# Altium PCB core.PcbDoc
Units mil, origin at the board's own origin, x right, y up, seen from the top; angles counter-clockwise.
Board outline 3775.2 x 3550 mil, 2 copper layers (Top Layer, Bottom Layer), stack 60.4 mil thick; 115 components, 142 nets, 599 pads, 0 vias.
Unrouted connection lines stored in the file: 347.
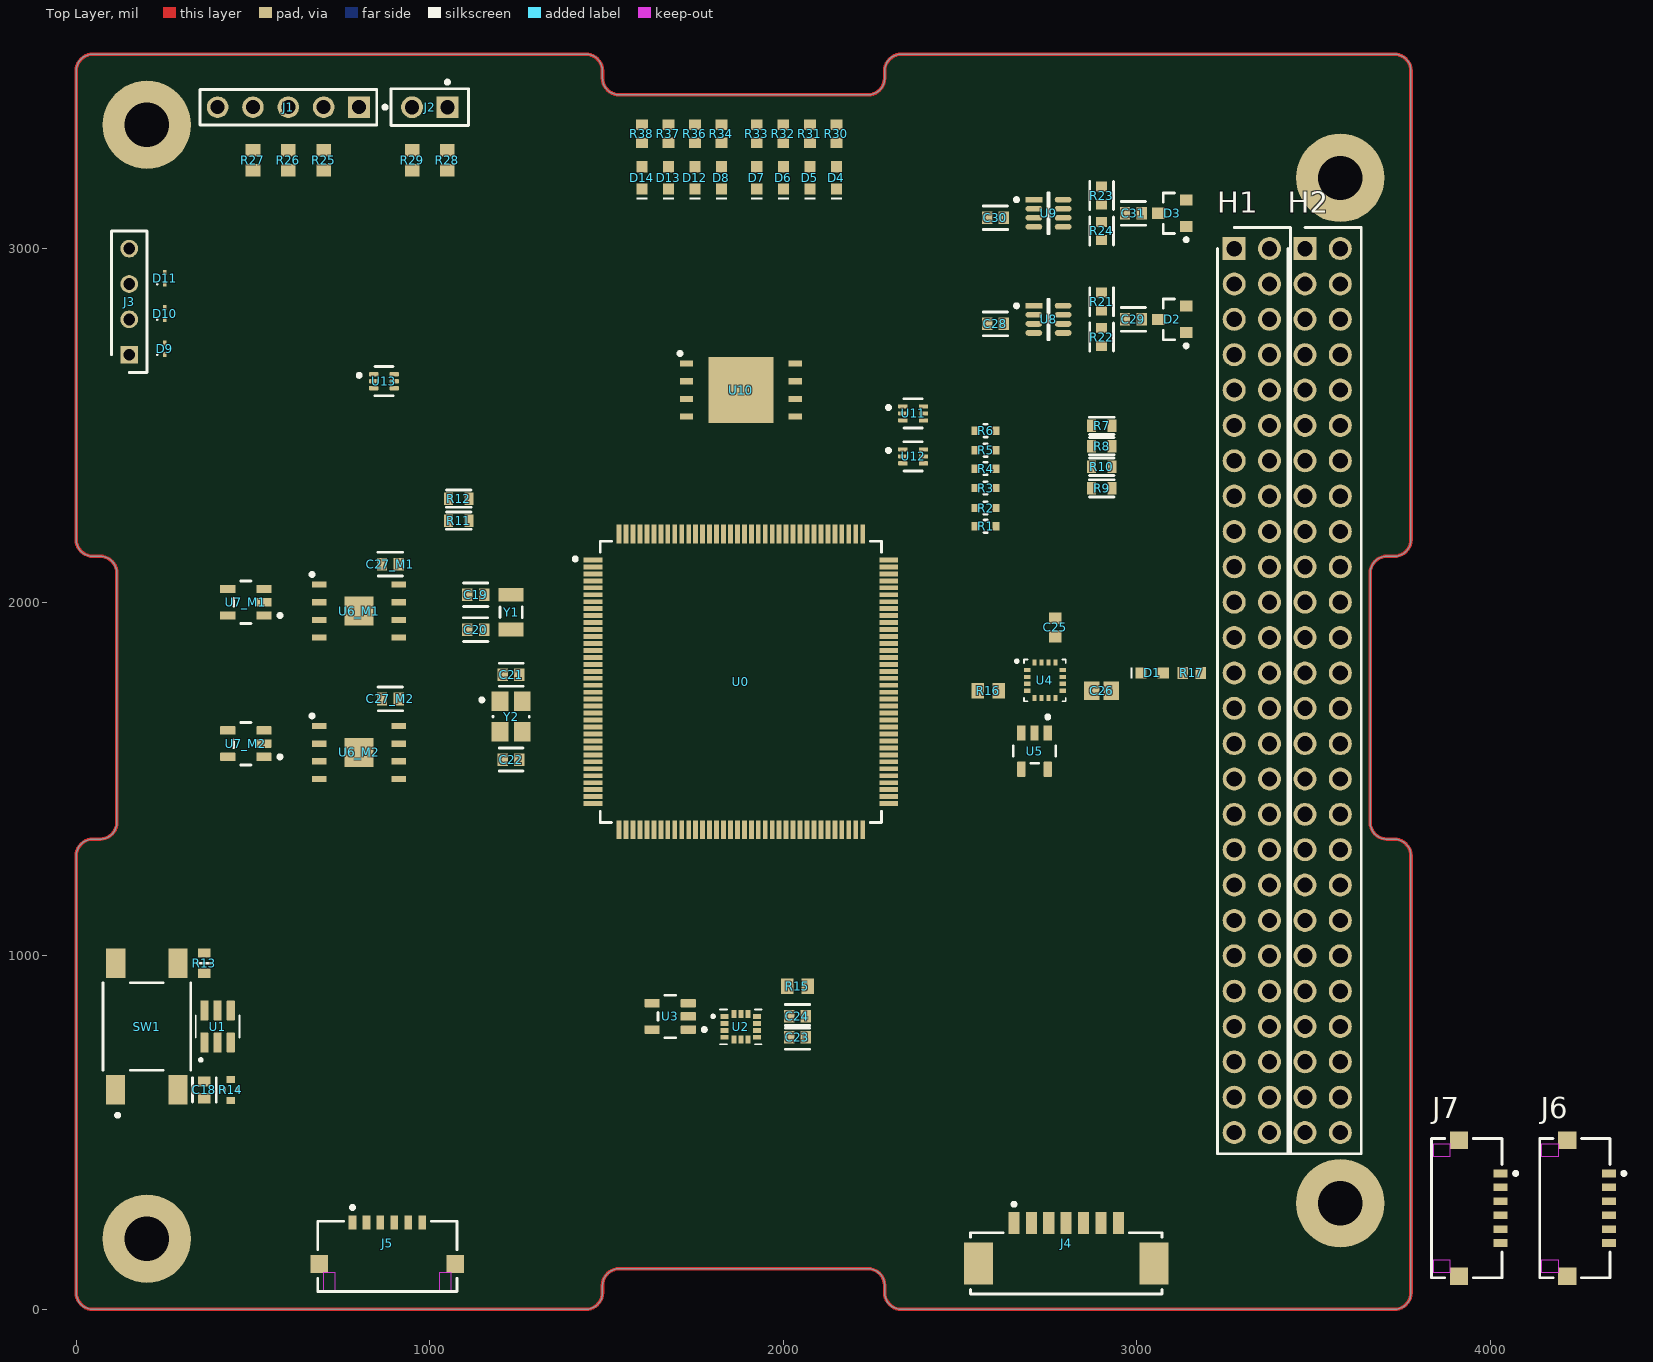
[diagram p0: Top Layer view]
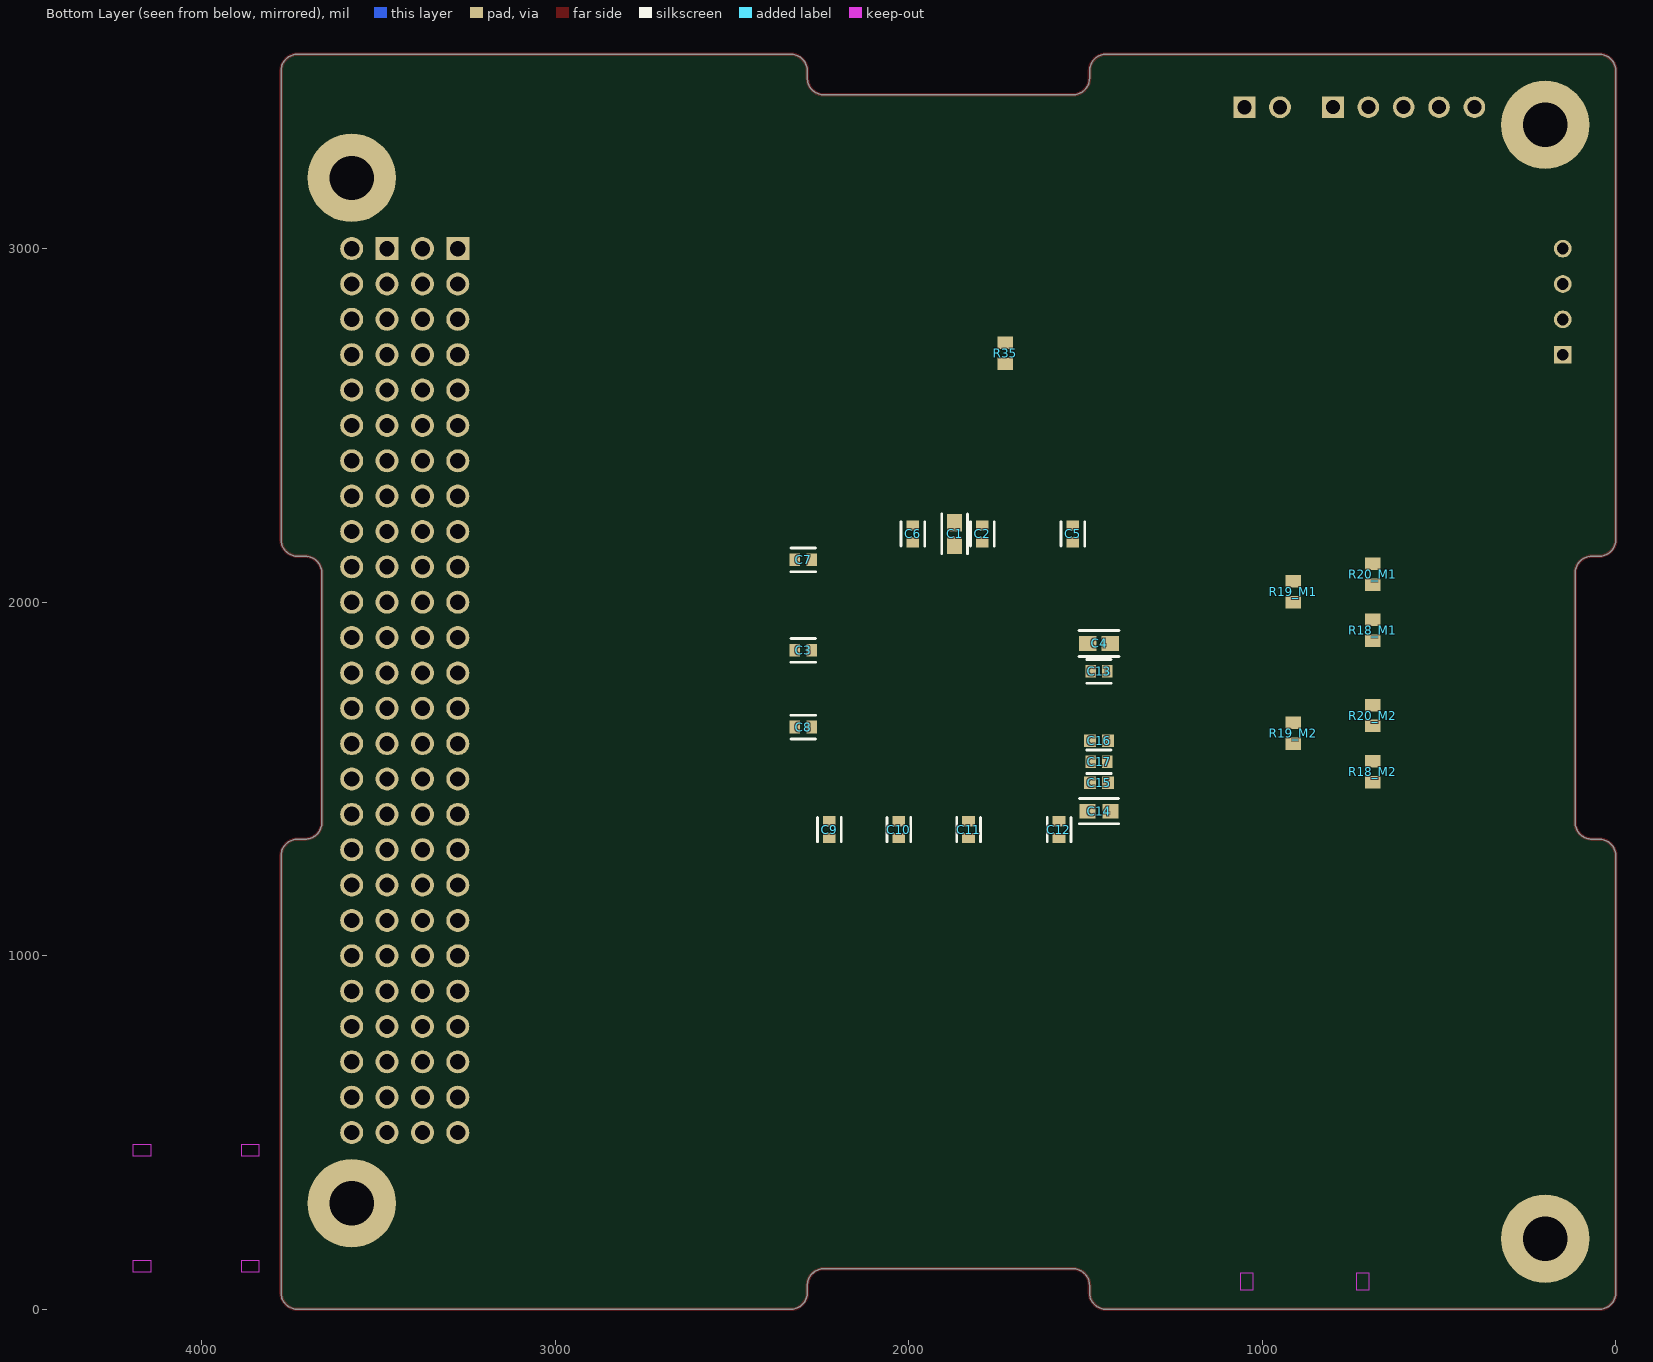
[diagram p1: Bottom Layer view, seen from below]

## Layer stack, top to bottom
Top Solder: solder mask 0.5, Solder Resist, Dk 3.3
Top Layer: signal copper 0.7
Dielectric1: core 59, FR-4, Dk 4.3
Bottom Layer: signal copper 0.7
Bottom Solder: solder mask 0.5, Solder Resist, Dk 3.3

## Board outline
0,47.24 0,1282.68 cw(c47.24,1282.68) 47.24,1329.92 67.72,1329.92 ccw(c67.72,1377.17) 114.96,1377.17 114.96,2082.68 ccw(c67.72,2082.68) 67.72,2129.92 47.24,2129.92 cw(c47.24,2177.17) 0,2177.17 0,3502.76 cw(c47.24,3502.76) 47.24,3550 1441.34,3550 cw(c1441.34,3502.76) 1488.58,3502.76 1488.58,3482.28 ccw(c1535.83,3482.28) 1535.83,3435.04 2239.37,3435.04 ccw(c2239.37,3482.28) 2286.61,3482.28 2286.61,3502.76 cw(c2333.86,3502.76) 2333.86,3550 3727.95,3550 cw(c3727.95,3502.76) 3775.2,3502.76 3775.2,2177.17 cw(c3727.95,2177.17) 3727.95,2129.92 3707.09,2129.92 ccw(c3707.09,2082.68) 3659.84,2082.68 3659.84,1377.17 ccw(c3707.09,1377.17) 3707.09,1329.92 3727.95,1329.92 cw(c3727.95,1282.68) 3775.2,1282.68 3775.2,47.24 cw(c3727.95,47.24) 3727.95,0 2333.86,0 cw(c2333.86,47.24) 2286.61,47.24 2286.61,67.72 ccw(c2239.37,67.72) 2239.37,114.96 1535.83,114.96 ccw(c1535.83,67.72) 1488.58,67.72 1488.58,47.24 cw(c1441.34,47.24) 1441.34,0 47.24,0 cw(c47.24,47.24)

## Design rules (kind name [scope] priority, off if disabled: settings)
Clearance [All] p1: gap=10 ignorepadtopadclearanceinfootprint=FALSE
DiffPairsRouting [All] p1: maxlimit=10 minlimit=10 mostfreqgap=10 toplayer_minwidth=10 toplayer_maxwidth=10 toplayer_prefwidth=10 bottomlayer_minwidth=10 bottomlayer_maxwidth=10 bottomlayer_prefwidth=10 maxuncoupledlength=500
HoleSize [All] p1: absolutevalues=TRUE maxlimit=300 minlimit=10 maxpercent=80.000 minpercent=20.000
MinimumAnnularRing [All] p1: minimumring=10
PasteMaskExpansion [All] p1: expansion=10
PlaneClearance [All] p1: clearance=15
PlaneConnect [All] p1: pad.planeconnectstyle=Relief pad.reliefexpansion=20 pad.reliefentries=4 pad.reliefconductorwidth=10 pad.reliefairgap=10 via.planeconnectstyle=Direct via.reliefexpansion=20 via.reliefentries=4 via.reliefconductorwidth=10 via.reliefairgap=10
PolygonConnect [All] p1: thpad.connectstyle=Relief thpad.reliefconductorwidth=10 thpad.reliefentries=4 thpad.polygonreliefangle="90 Angle" thpad.airgapwidth=10 smdpad.connectstyle=Relief smdpad.reliefconductorwidth=10 smdpad.reliefentries=4 smdpad.polygonreliefangle="90 Angle" smdpad.airgapwidth=10 via.connectstyle=Direct via.reliefconductorwidth=10 via.reliefentries=4 via.polygonreliefangle="90 Angle" via.airgapwidth=10
RoomDefinition U_MCU [InComponentClass('U_MCU')] p1: confinementstyle=ConfineIn formatcopy=TRUE lockcomponents=FALSE outline -7638,-4595 -5638,-4595 -5638,-3595 -7638,-3595
RoutingVias [All] p1: holewidth=10 width=20 viastyle="Through Hole" minholewidth=10 minwidth=20 maxholewidth=10 maxwidth=20
SMDNeckDown [All] p1: percent=100.000
SilkToSolderMaskClearance SilkscreenOverComponentPads [IsPad] p1: minsilkscreentomaskgap=10 clearancetoexposedcopper=TRUE
SolderMaskExpansion [All] p1: expansion=10 istentingtop=FALSE
SupplyNets "Schematic Supply Nets_5" [InNet('3V3_A')] p1: voltage=0.000
SupplyNets "Schematic Supply Nets_1" [InNet('VBAT')] p2: voltage=0.000
SupplyNets "Schematic Supply Nets" [InNet('VDD_MCU')] p3: voltage=0.000
SupplyNets "Schematic Supply Nets_3" [InNet('GND')] p4: voltage=0.000
Width [All] p1: maxlimit=10 minlimit=10 preferedwidth=10
24 further rules are at their usual default settings.

## Classes and differential pairs
channel class MRAM_MR25H40: M1 M2
component class Watchdog: C18 R13 R14 SW1 U1
component class U_NorFlash: R35 U10
component class U_MCU: R7 R8 R9 R10 R11 R12 U11 U12 U13
component class U_CAN2: C30 C31 D3 R23 R24 U9
component class U_CAN1: C28 C29 D2 R21 R22 U8
component class PC104_52-52: D1 H1 H2 R3 R4 R5 R6 R17
component class MMC5983MA: C25 C26 R16 U4 U5
component class MCU_Power: C1 C2 C3 C4 C5 C6 C7 C8 C9 C10 C11 C12 C13 C14 C15 C16 C17 U0
component class M2: C27_M2 R18_M2 R19_M2 R20_M2 U6_M2 U7_M2
component class M1: C27_M1 R18_M1 R19_M1 R20_M1 U6_M1 U7_M1
component class ISM330ISN: C23 C24 R15 U2 U3
component class Crystals: C19 C20 C21 C22 Y1 Y2
component class U_Ports: D4 D5 D6 D7 D8 D9 D10 D11 D12 D13 D14 J1 J2 J3 J4 J5 J6 J7 R1 R2 R25 R26 R27 R28 R29 R30 R31 R32 R33 R34 R36 R37 R38

## Components (designator, comment, footprint, x,y, rotation, side; value= is the part's Value field where it differs from the comment)
C1 "4.7uF" FP-GRM188-0_15-IPC_A 1870.16,2193.31 r270 bottom locked
C2 "0.1uF" FP-C0603C-CF-MFG 1791.42,2193.31 r270 bottom locked value="0.10 μF"
C3 "0.1uF" FP-C0603C-CF-MFG 2298.31,1863.58 r180 bottom locked value="0.10 μF"
C4 "4.7uF" FP-GRM188-0_15-IPC_A 1461.69,1883.27 r0 bottom locked
C5 "0.1uF" FP-C0603C-CF-MFG 1535.51,2193.31 r270 bottom locked value="0.10 μF"
C6 "0.1uF" FP-C0603C-CF-MFG 1988.27,2193.31 r270 bottom locked value="0.10 μF"
C7 "0.1uF" FP-C0603C-CF-MFG 2298.31,2119.49 r180 bottom locked value="0.10 μF"
C8 "0.1uF" FP-C0603C-CF-MFG 2298.31,1647.05 r180 bottom locked value="0.10 μF"
C9 "0.1uF" FP-C0603C-CF-MFG 2224.49,1356.69 r90 bottom locked value="0.10 μF"
C10 "0.1uF" FP-C0603C-CF-MFG 2027.76,1356.69 r90 bottom locked value="0.10 μF"
C11 "0.1uF" FP-C0603C-CF-MFG 1830.79,1356.69 r90 bottom locked value="0.10 μF"
C12 "0.1uF" FP-C0603C-CF-MFG 1574.88,1356.69 r90 bottom locked value="0.10 μF"
C13 "0.1uF" FP-C0603C-CF-MFG 1461.69,1804.53 r0 bottom locked value="0.10 μF"
C14 "10nF" FP-GRM188-0_1-e0_2_0_5-IPC_A 1461.69,1408.86 r0 bottom locked
C15 "1uF" CAPC1608X90X35LL15T15 1461.69,1489.57 r180 bottom locked
C16 "1uF" CAPC1608X90X35LL15T15 1461.69,1607.68 r180 bottom locked
C17 "0.1uF" FP-C0603C-CF-MFG 1461.69,1548.62 r0 bottom locked value="0.10 μF"
C18 "0.1uF" FP-C0603C-CF-MFG 362.6,620.87 r270 top locked value="0.10 μF"
C19 "1.5pF" FP-C0603C-CF-MFG 1130,2021.06 r180 top locked value="1.5 pF"
C20 "1.5pF" FP-C0603C-CF-MFG 1130,1922.64 r180 top locked value="1.5 pF"
C21 "3.9pF" FP-CBR06C-MFG 1230,1795 r0 top locked value="3.9 pF"
C22 "3.9pF" FP-CBR06C-MFG 1230,1555 r180 top locked value="3.9 pF"
C23 "0.1uF" FP-C0603C-CF-MFG 2040,769.47 r0 top locked value="0.10 μF"
C24 "0.1uF" FP-C0603C-CF-MFG 2040,828.53 r0 top locked value="0.10 μF"
C25 "1uF" CAPC1608X90X35LL15T15 2769.58,1929 r90 top locked
C26 "10uF" CAPC2013X145X50LL20T25 2900.05,1749.47 r0 top locked
C27_M1 "0.1uF" FP-C0603C-CF-MFG 888.58,2107.55 r180 top locked value="0.10 μF" (schematic designator C27)
C27_M2 "0.1uF" FP-C0603C-CF-MFG 888.58,1726.26 r180 top locked value="0.10 μF" (schematic designator C27)
C28 "0.1uF" FP-C0603C-CF-MFG 2600,2787.2 r180 top locked value="0.10 μF"
C29 "C0603C472K2RACTU" FP-C0603C-CF-MFG 2990,2800 r0 top locked value="4,700 pF"
C30 "0.1uF" FP-C0603C-CF-MFG 2600,3087.2 r180 top locked value="0.10 μF"
C31 "C0603C472K2RACTU" FP-C0603C-CF-MFG 2990,3100 r0 top locked value="4,700 pF"
D1 "150060RS75000" WL-SMCW_0603_150060xx75000 3042.91,1800 r0 top
D2 "NUP2105LT1G" ONSC-SOT-23-3-318-08_V 3100,2800 r180 top locked
D3 "NUP2105LT1G" ONSC-SOT-23-3-318-08_V 3100,3100 r180 top locked
D4 "150060RS75000" WL-SMCW_0603_150060xx75000 2150,3200 r90 top locked
D5 "150060RS75000" WL-SMCW_0603_150060xx75000 2075,3200 r90 top locked
D6 "150060RS75000" WL-SMCW_0603_150060xx75000 2000,3200 r90 top locked
D7 "150060RS75000" WL-SMCW_0603_150060xx75000 1925,3200 r90 top locked
D8 "150060RS75000" WL-SMCW_0603_150060xx75000 1825,3200 r90 top locked
D9 "ESD9B5.0ST5G" ONSC-SOD-923-2-514AB-01_V 250,2716.54 r90 top locked
D10 "ESD9B5.0ST5G" ONSC-SOD-923-2-514AB-01_V 250,2816.54 r90 top locked
D11 "ESD9B5.0ST5G" ONSC-SOD-923-2-514AB-01_V 250,2916.54 r90 top locked
D12 "150060RS75000" WL-SMCW_0603_150060xx75000 1750,3200 r90 top locked
D13 "150060RS75000" WL-SMCW_0603_150060xx75000 1675,3200 r90 top locked
D14 "150060RS75000" WL-SMCW_0603_150060xx75000 1600,3200 r90 top locked
H1 "ESQ-126-39-G-D-001" RHDR52W64P254_2X26_6654X495X1135P 3275.2,3000 r270 top locked
H2 "ESQ-126-39-G-D-001" RHDR52W64P254_2X26_6654X495X1135P 3475.2,3000 r270 top locked
J1 "90120-0125" FP-90120-0125-MFG 600,3400 r180 top locked
J2 "M20-9990245" FP-M20-9990245-MFG 1000,3400 r180 top locked
J3 "90120-0124" HDRV4W65P0X254_1X4_1016X254X945P 150,2700 r90 top locked
J4 "53261-0771" FP-53261-0771-MFG 2800,130 r0 top locked
J5 "503763-0691" FP-503763-0691-MFG 880,150 r180 top locked
J6 "503763-0691" FP-503763-0691-MFG 4239,286 r90 top
J7 "503763-0691" FP-503763-0691-MFG 3933,286 r90 top
R1 "10K" FP-RK73B1J-MFG 2572.11,2214.64 r0 top
R2 "10K" FP-RK73B1J-MFG 2572.1,2266.27 r0 top
R3 "10K" FP-RK73B1J-MFG 2572.1,2323 r0 top
R4 "10K" FP-RK73B1J-MFG 2572.11,2377.91 r0 top
R5 "10K" FP-RK73B1J-MFG 2572.1,2430.19 r0 top
R6 "10K" FP-RK73B1J-MFG 2572.11,2485.31 r0 top
R7 "100 ohm" FP-ERJP03-MFG 2900.44,2498.43 r0 top
R8 "100 ohm" FP-ERJP03-MFG 2900.44,2441.23 r0 top
R9 "100 ohm" FP-ERJP03-MFG 2900.44,2322.02 r180 top
R10 "100 ohm" FP-ERJP03-MFG 2900.44,2383.28 r180 top
R11 "100 ohm" FP-ERJP03-MFG 1082,2230.82 r0 top
R12 "100 ohm" FP-ERJP03-MFG 1082,2293 r180 top
R13 "100K" FP-ERA3A-MFG 362.6,979.13 r270 top locked
R14 "10K" FP-RK73B1J-MFG 437.4,620.87 r90 top locked
R15 "100K" RESC1608X55X30ML20T10 2040,914 r0 top locked
R16 "100K" RESC1608X55X30ML20T10 2580.05,1749.47 r180 top locked
R17 "ERJ-3EKF3300V" RESC1608X55X30LL15T15 3155.41,1800 r180 top
R18_M1 "100K" RESC1608X55X30ML20T10 687.8,1920.47 r90 bottom locked (schematic designator R18)
R18_M2 "100K" RESC1608X55X30ML20T10 687.8,1520.47 r90 bottom locked (schematic designator R18)
R19_M1 "100K" RESC1608X55X30ML20T10 912.21,2029.53 r270 bottom locked (schematic designator R19)
R19_M2 "100K" RESC1608X55X30ML20T10 912.2,1629.53 r270 bottom locked (schematic designator R19)
R20_M1 "100K" RESC1608X55X30ML20T10 687.8,2079.53 r90 bottom locked (schematic designator R20)
R20_M2 "100K" RESC1608X55X30ML20T10 687.8,1679.53 r90 bottom locked (schematic designator R20)
R21 "RC1608F60R4CS" FP-RC1608-IPC_C 2900,2850 r270 top locked
R22 "RC1608F60R4CS" FP-RC1608-IPC_C 2900,2750 r270 top locked
R23 "RC1608F60R4CS" FP-RC1608-IPC_C 2900,3150 r270 top locked
R24 "RC1608F60R4CS" FP-RC1608-IPC_C 2900,3050 r270 top locked
R25 "ERJ-3EKF49R9V" RESC1608X55X30ML15T15 700,3250 r90 top locked
R26 "ERJ-3EKF49R9V" RESC1608X55X30ML15T15 600,3250 r90 top locked
R27 "ERJ-3EKF49R9V" RESC1608X55X30ML15T15 500,3250 r90 top locked
R28 "ERJ-3EKF49R9V" RESC1608X55X30ML15T15 1050,3250 r90 top locked
R29 "ERJ-3EKF49R9V" RESC1608X55X30ML15T15 950,3250 r90 top locked
R30 "ERJ-3EKF3300V" RESC1608X55X30LL15T15 2150,3325 r270 top locked
R31 "ERJ-3EKF3300V" RESC1608X55X30LL15T15 2075,3325 r270 top locked
R32 "ERJ-3EKF3300V" RESC1608X55X30LL15T15 2000,3325 r270 top locked
R33 "ERJ-3EKF3300V" RESC1608X55X30LL15T15 1925,3325 r270 top locked
R34 "ERJ-3EKF3300V" RESC1608X55X30LL15T15 1825,3325 r270 top locked
R35 "100K" RESC1608X55X30ML20T10 1726.46,2704.53 r90 bottom locked
R36 "ERJ-3EKF3300V" RESC1608X55X30LL15T15 1750,3325 r270 top locked
R37 "ERJ-3EKF3300V" RESC1608X55X30LL15T15 1675,3325 r270 top locked
R38 "ERJ-3EKF3300V" RESC1608X55X30LL15T15 1600,3325 r270 top locked
SW1 "FSM2JSMAA" FP-FSM2JSMAA-MFG 200,800 r180 top locked
U0 "STM32L496ZGT6" FP-LQFP144-1A-MFG 1880,1775 r0 top locked
U1 "TPL5010QDDCTQ1" SOT95P280X110-6N 400,800 r90 top locked
U2 "ISM330ISN" XDCR_ISM330ISNTR 1880,799 r0 top locked
U3 "SN74LVC1G125DBVT" FP-DBV0005A-MFG 1680,828.53 r180 top locked
U4 "MMC5983MA" PQFN50P300X300X100-16N 2740.05,1779 r0 top locked
U5 "SN74LVC1G125DBVT" FP-DBV0005A-MFG 2710.52,1579 r270 top locked
U6_M1 "MR25H40MDF" SON127P600X500X90-9N-D 800,1975 r0 top locked (schematic designator U6)
U6_M2 "MR25H40MDF" SON127P600X500X90-9N-D 800,1575 r0 top locked (schematic designator U6)
U7_M1 "SN74LVC1G125DBVT" FP-DBV0005A-MFG 480,2000 r180 top locked (schematic designator U7)
U7_M2 "SN74LVC1G125DBVT" FP-DBV0005A-MFG 480,1600 r180 top locked (schematic designator U7)
U8 "TCAN332GDCNT" FP-DCN0008A-IPC_C 2750,2800 r0 top locked
U9 "TCAN332GDCNT" FP-DCN0008A-IPC_C 2750,3100 r0 top locked
U10 "S25HL512TFANHI010" SON127P800X600X80-9N-D 1880,2600 r0 top locked
U11 "SN74LVC2G34DRLR" FP-DRL0006A-MFG 2367.13,2534 r0 top
U12 "SN74LVC2G34DRLR" FP-DRL0006A-MFG 2367.13,2412.47 r0 top
U13 "SN74LVC2G34DRLR" FP-DRL0006A-MFG 870.47,2625 r0 top
Y1 "NX3215SA-32.768KHZ-EXS00A-MU00525" FP-NX3215SA-MFG 1230,1971.85 r270 top locked
Y2 "NX3225GA-16.000M-STD-CRG-2" FP-NX3225GA-MFG 1230,1676.57 r270 top locked

## Footprints (in the part's own frame and the unit in brackets; to place one, negate y for a bottom-side part, rotate by r counter-clockwise, add the part's x,y. Pads: shape width x height; smd on the part's side, far side on the other; paste and mask are expansions set on the pad)
CAPC1608X90X35LL15T15 [mm] "Chip Capacitor, 2-Leads, Body 1.60x0.81mm, IPC High Density"
  rect 0.85x0.9 smd: 1(-0.65,0) 2(0.65,0)
  body extent -0.88,-0.48 0.87,0.48, height 0.9
CAPC2013X145X50LL20T25 [mm] "Chip Capacitor, 2-Leads, Body 2.00x1.25mm, IPC High Density"
  rect 1.1x1.35 smd: 1(-0.7,0) 2(0.7,0)
  body extent -1.1,-0.72 1.1,0.72, height 1.45
FP-53261-0771-MFG [mm]
  rect 0.8x1.6 smd paste+0 mask+0: 1(-3.75,2.9) 2(-2.5,2.9) 3(-1.25,2.9) 4(0,2.9) 5(1.25,2.9) 6(2.5,2.9) 7(3.75,2.9)
  rect 2.1x3 smd paste+0 mask+0: 8(-6.3,0) 9(6.3,0)
  silkscreen extent -6.88,-2.2 6.88,4.37, body extent -7.45,-2.3 7.45,3.8, height 0.25
FP-90120-0125-MFG [mm]
  rect 1.55x1.55 hole 1 paste-2539.97 mask+0: 1(-5.08,0)
  round 1.55 hole 1 paste-2539.97 mask+0: 2(-2.54,0) 3(0,0) 4(2.54,0) 5(5.08,0)
  silkscreen extent -7.07,-1.27 6.35,1.27, body extent -6.45,-1.37 6.45,1.37, height 0.25
FP-503763-0691-MFG [mm]
  rect 0.55x1 smd paste+0 mask+0: 1(2.5,-2.435) 2(1.5,-2.435) 3(0.5,-2.435) 4(-0.5,-2.435) 5(-1.5,-2.435) 6(-2.5,-2.435)
  rect 1.26x1.3 smd paste+0 mask+0: 7(-4.875,0.555) 8(4.875,0.555)
  Keep-Out Layer region: 3.735,1.175 4.605,1.175 4.605,2.425 3.735,2.425
  Keep-Out Layer region: -4.605,1.175 -3.735,1.175 -3.735,2.425 -4.605,2.425
  silkscreen extent -5,-3.63 5,2.52, body extent -5.61,-3.04 5.61,2.63, height 0.25
FP-C0603C-CF-MFG [mm]
  rect 0.75x0.9 smd paste+0 mask+0: 1(-0.6,0) 2(0.6,0)
  silkscreen extent -0.87,-0.85 0.88,0.85, body extent -0.8,-0.4 0.8,0.4, height 0.87
FP-CBR06C-MFG [mm]
  rect 0.75x0.9 smd paste+0 mask+0: 1(-0.6,0) 2(0.6,0)
  silkscreen extent -0.85,-0.82 0.85,0.82, body extent -1.2,-0.6 1.2,0.6, height 0.25
FP-DBV0005A-MFG [mm]
  rrect17% 1.1x0.6 smd paste+0 mask+0: 1(-1.3,0.95) 2(-1.3,0) 3(-1.3,-0.95) 4(1.3,-0.95) 5(1.3,0.95)
  silkscreen extent -2.58,-1.53 0.87,1.53, body extent -1.95,-1.78 1.95,1.78, height 0.25
FP-DCN0008A-IPC_C [mm]
  rect 1.205x0.415 smd paste+0 mask+0: 1(-1.05,0.975)
  rrect100% 1.205x0.415 smd paste+0 mask+0: 2(-1.05,0.325) 3(-1.05,-0.325) 4(-1.05,-0.975) 5(1.05,-0.975) 6(1.05,-0.325) 7(1.05,0.325) 8(1.05,0.975)
  silkscreen extent -2.42,-1.45 0.05,1.45, body extent -1.75,-1.55 1.75,1.55, height 0.25
FP-DRL0006A-MFG [mm]
  rrect33% 0.67x0.3 smd paste+0 mask+0: 1(-0.74,0.5) 2(-0.74,0) 3(-0.74,-0.5) 4(0.74,-0.5) 5(0.74,0) 6(0.74,0.5)
  silkscreen extent -1.9,-1.05 0.65,1.05, body extent -1.17,-1.1 1.17,1.1, height 0.25
FP-ERA3A-MFG [mm]
  rect 0.65x0.9 smd paste+0 mask+0: 1(-0.725,0) 2(0.725,0)
  silkscreen extent 0,-0.5 0,0.5, body extent -1.15,-0.6 1.15,0.6, height 0.25
FP-ERJP03-MFG [mm]
  rect 0.65x0.9 smd paste+0 mask+0: 1(-0.725,0) 2(0.725,0)
  silkscreen extent -0.87,-0.62 0.87,0.63, body extent -1.15,-0.58 1.15,0.58, height 0.25
FP-FSM2JSMAA-MFG [mm]
  rect 1.38x2.1 smd paste+0 mask+0: 1(2.25,4.55) 2(2.24,-4.55) 3(-2.24,4.55) 4(-2.24,-4.55)
  silkscreen extent -3.15,-3.15 3.15,6.5, body extent -3.25,-5.7 3.25,5.7, height 0.25
FP-GRM188-0_1-e0_2_0_5-IPC_A [mil]
  rect 45.62x39.85 smd paste+0 mask+0: 1(-32.55,0) 2(32.55,0)
  silkscreen extent -55,-36 55,36, body extent -31,-16 31,16, height 35
FP-GRM188-0_15-IPC_A [mil]
  rect 49.46x41.66 smd paste+0 mask+0: 1(-31.53,0) 2(31.53,0)
  silkscreen extent -56,-37 56,37
FP-LQFP144-1A-MFG [mm]
  rect 1.35x0.35 smd paste+0 mask+0: 1(-10.625,8.75) 2(-10.625,8.25) 3(-10.625,7.75) 4(-10.625,7.25) 5(-10.625,6.75) 6(-10.625,6.25) 7(-10.625,5.75) 8(-10.625,5.25) 9(-10.625,4.75) 10(-10.625,4.25) 11(-10.625,3.75) 12(-10.625,3.25) 13(-10.625,2.75) 14(-10.625,2.25) 15(-10.625,1.75) 16(-10.625,1.25) 17(-10.625,0.75) 18(-10.625,0.25) 19(-10.625,-0.25) 20(-10.625,-0.75) 21(-10.625,-1.25) 22(-10.625,-1.75) 23(-10.625,-2.25) 24(-10.625,-2.75) 25(-10.625,-3.25) 26(-10.625,-3.75) 27(-10.625,-4.25) 28(-10.625,-4.75) 29(-10.625,-5.25) 30(-10.625,-5.75) 31(-10.625,-6.25) 32(-10.625,-6.75) 33(-10.625,-7.25) 34(-10.625,-7.75) 35(-10.625,-8.25) 36(-10.625,-8.75) 73(10.625,-8.75) 74(10.625,-8.25) 75(10.625,-7.75) 76(10.625,-7.25) 77(10.625,-6.75) 78(10.625,-6.25) 79(10.625,-5.75) 80(10.625,-5.25) 81(10.625,-4.75) 82(10.625,-4.25) 83(10.625,-3.75) 84(10.625,-3.25) 85(10.625,-2.75) 86(10.625,-2.25) 87(10.625,-1.75) 88(10.625,-1.25) 89(10.625,-0.75) 90(10.625,-0.25) 91(10.625,0.25) 92(10.625,0.75) 93(10.625,1.25) 94(10.625,1.75) 95(10.625,2.25) 96(10.625,2.75) 97(10.625,3.25) 98(10.625,3.75) 99(10.625,4.25) 100(10.625,4.75) 101(10.625,5.25) 102(10.625,5.75) 103(10.625,6.25) 104(10.625,6.75) 105(10.625,7.25) 106(10.625,7.75) 107(10.625,8.25) 108(10.625,8.75)
  rect 0.35x1.35 smd paste+0 mask+0: 37(-8.75,-10.625) 38(-8.25,-10.625) 39(-7.75,-10.625) 40(-7.25,-10.625) 41(-6.75,-10.625) 42(-6.25,-10.625) 43(-5.75,-10.625) 44(-5.25,-10.625) 45(-4.75,-10.625) 46(-4.25,-10.625) 47(-3.75,-10.625) 48(-3.25,-10.625) 49(-2.75,-10.625) 50(-2.25,-10.625) 51(-1.75,-10.625) 52(-1.25,-10.625) 53(-0.75,-10.625) 54(-0.25,-10.625) 55(0.25,-10.625) 56(0.75,-10.625) 57(1.25,-10.625) 58(1.75,-10.625) 59(2.25,-10.625) 60(2.75,-10.625) 61(3.25,-10.625) 62(3.75,-10.625) 63(4.25,-10.625) 64(4.75,-10.625) 65(5.25,-10.625) 66(5.75,-10.625) 67(6.25,-10.625) 68(6.75,-10.625) 69(7.25,-10.625) 70(7.75,-10.625) 71(8.25,-10.625) 72(8.75,-10.625) 109(8.75,10.625) 110(8.25,10.625) 111(7.75,10.625) 112(7.25,10.625) 113(6.75,10.625) 114(6.25,10.625) 115(5.75,10.625) 116(5.25,10.625) 117(4.75,10.625) 118(4.25,10.625) 119(3.75,10.625) 120(3.25,10.625) 121(2.75,10.625) 122(2.25,10.625) 123(1.75,10.625) 124(1.25,10.625) 125(0.75,10.625) 126(0.25,10.625) 127(-0.25,10.625) 128(-0.75,10.625) 129(-1.25,10.625) 130(-1.75,10.625) 131(-2.25,10.625) 132(-2.75,10.625) 133(-3.25,10.625) 134(-3.75,10.625) 135(-4.25,10.625) 136(-4.75,10.625) 137(-5.25,10.625) 138(-5.75,10.625) 139(-6.25,10.625) 140(-6.75,10.625) 141(-7.25,10.625) 142(-7.75,10.625) 143(-8.25,10.625) 144(-8.75,10.625)
  silkscreen extent -12.02,-10.1 10.1,10.1, body extent -11.4,-11.4 11.4,11.4, height 0.25
FP-M20-9990245-MFG [mm]
  rect 1.57x1.57 hole 1.02 paste-2539.97 mask+0: 1(-1.27,0)
  round 1.57 hole 1.02 paste-2539.97 mask+0: 2(1.27,0)
  silkscreen extent -2.79,-1.92 2.79,1.32, body extent -2.89,-1.42 2.89,1.42, height 0.25
FP-NX3215SA-MFG [mm]
  rect 1x1.8 smd paste+0 mask+0: 1(-1.25,0) 2(1.25,0)
  silkscreen extent -0.38,-0.8 0.38,0.8, body extent -1.85,-1 1.85,1, height 0.25
FP-NX3225GA-MFG [mm]
  rect 1.4x1.2 smd paste+0 mask+0: 1(-1.1,-0.8) 2(1.1,-0.8) 3(1.1,0.8) 4(-1.1,0.8)
  silkscreen extent -1.32,-2.22 0.03,1.3, body extent -1.9,-1.5 1.9,1.5, height 0.25
FP-RC1608-IPC_C [mil]
  rect 27.94x31.97 smd paste+0 mask+0: 1(-25.64,0) 2(25.64,0)
  silkscreen extent -40,-33 40,33, body extent -44,-22 44,22, height 10
FP-RK73B1J-MFG [mm]
  rect 0.5x0.6 smd paste+0 mask+0: 1(-0.75,0) 2(0.75,0)
  silkscreen extent -0.13,-0.45 0.13,0.45, body extent -1.1,-0.55 1.1,0.55, height 0.25
HDRV4W65P0X254_1X4_1016X254X945P [mm]
  rect 1.275x1.275 hole 0.85: 1(0,0)
  round 1.275 hole 0.85: 2(2.54,0) 3(5.08,0) 4(7.62,0)
  silkscreen extent -1.27,-1.27 8.89,1.27, body extent -1.27,-1.25 8.89,1.25, height 9.02
ONSC-SOD-923-2-514AB-01_V [mm] "SOD, 2-Leads, Body 0.8x0.6mm"
  rect 0.36x0.25 smd: 1(-0.42,0) 2(0.42,0)
  silkscreen extent -0.47,0.48 -0.37,0.57, body extent -0.4,-0.3 0.4,0.3, height 0.4
ONSC-SOT-23-3-318-08_V [mm] "SOT23, 3-Leads, Body 2.92x1.3mm, Pitch 0.95mm"
  rect 0.9x0.8 smd: 1(-1,0.95) 2(-1,-0.95) 3(1,0)
  silkscreen extent -1.13,-1.46 0.65,2.02, body extent -0.65,-1.46 0.65,1.46, height 1.11
PQFN50P300X300X100-16N [mm]
  rect 0.45x0.3 smd: 1(-1.275,0.75) 2(-1.275,0.25) 3(-1.275,-0.25) 4(-1.275,-0.75) 9(1.275,-0.75) 10(1.275,-0.25) 11(1.275,0.25) 12(1.275,0.75)
  rect 0.3x0.45 smd: 5(-0.75,-1.275) 6(-0.25,-1.275) 7(0.25,-1.275) 8(0.75,-1.275) 13(0.75,1.275) 14(0.25,1.275) 15(-0.25,1.275) 16(-0.75,1.275)
  silkscreen extent -2.13,-1.5 1.5,1.5, body extent -1.5,-1.5 1.5,1.5, height 1
RESC1608X55X30LL15T15 [mm] "Chip Resistor, 2-Leads, Body 1.75x0.95mm, IPC High Density"
  rect 0.75x0.85 smd: 1(-0.65,0) 2(0.65,0)
  body extent -0.87,-0.48 0.87,0.48, height 0.55
RESC1608X55X30ML15T15 [mm] "Chip Resistor, 2-Leads, Body 1.60x0.80mm, IPC Low Density"
  rect 0.9x1.05 smd: 1(-0.725,0) 2(0.725,0)
  body extent -0.87,-0.48 0.87,0.48, height 0.55
RESC1608X55X30ML20T10 [mm] "Chip Resistor, 2-Leads, Body 1.60x0.80mm, IPC Low Density"
  rect 0.9x1.1 smd: 1(-0.75,0) 2(0.75,0)
  body extent -0.9,-0.5 0.9,0.5, height 0.55
RHDR52W64P254_2X26_6654X495X1135P [mm]
  rect 1.65x1.65 hole 1.1: 1(0,0)
  round 1.65 hole 1.1: 2(0,2.54) 3(2.54,0) 4(2.54,2.54) 5(5.08,0) 6(5.08,2.54) 7(7.62,0) 8(7.62,2.54) 9(10.16,0) 10(10.16,2.54) 11(12.7,0) 12(12.7,2.54) 13(15.24,0) 14(15.24,2.54) 15(17.78,0) 16(17.78,2.54) 17(20.32,0) 18(20.32,2.54) 19(22.86,0) 20(22.86,2.54) 21(25.4,0) 22(25.4,2.54) 23(27.94,0) 24(27.94,2.54) 25(30.48,0) 26(30.48,2.54) 27(33.02,0) 28(33.02,2.54) 29(35.56,0) 30(35.56,2.54) 31(38.1,0) 32(38.1,2.54) 33(40.64,0) 34(40.64,2.54) 35(43.18,0) 36(43.18,2.54) 37(45.72,0) 38(45.72,2.54) 39(48.26,0) 40(48.26,2.54) 41(50.8,0) 42(50.8,2.54) 43(53.34,0) 44(53.34,2.54) 45(55.88,0) 46(55.88,2.54) 47(58.42,0) 48(58.42,2.54) 49(60.96,0) 50(60.96,2.54) 51(63.5,0) 52(63.5,2.54)